# KiCad board TFLN_AI_NODE_X2_routed.kicad_pcb (continued)
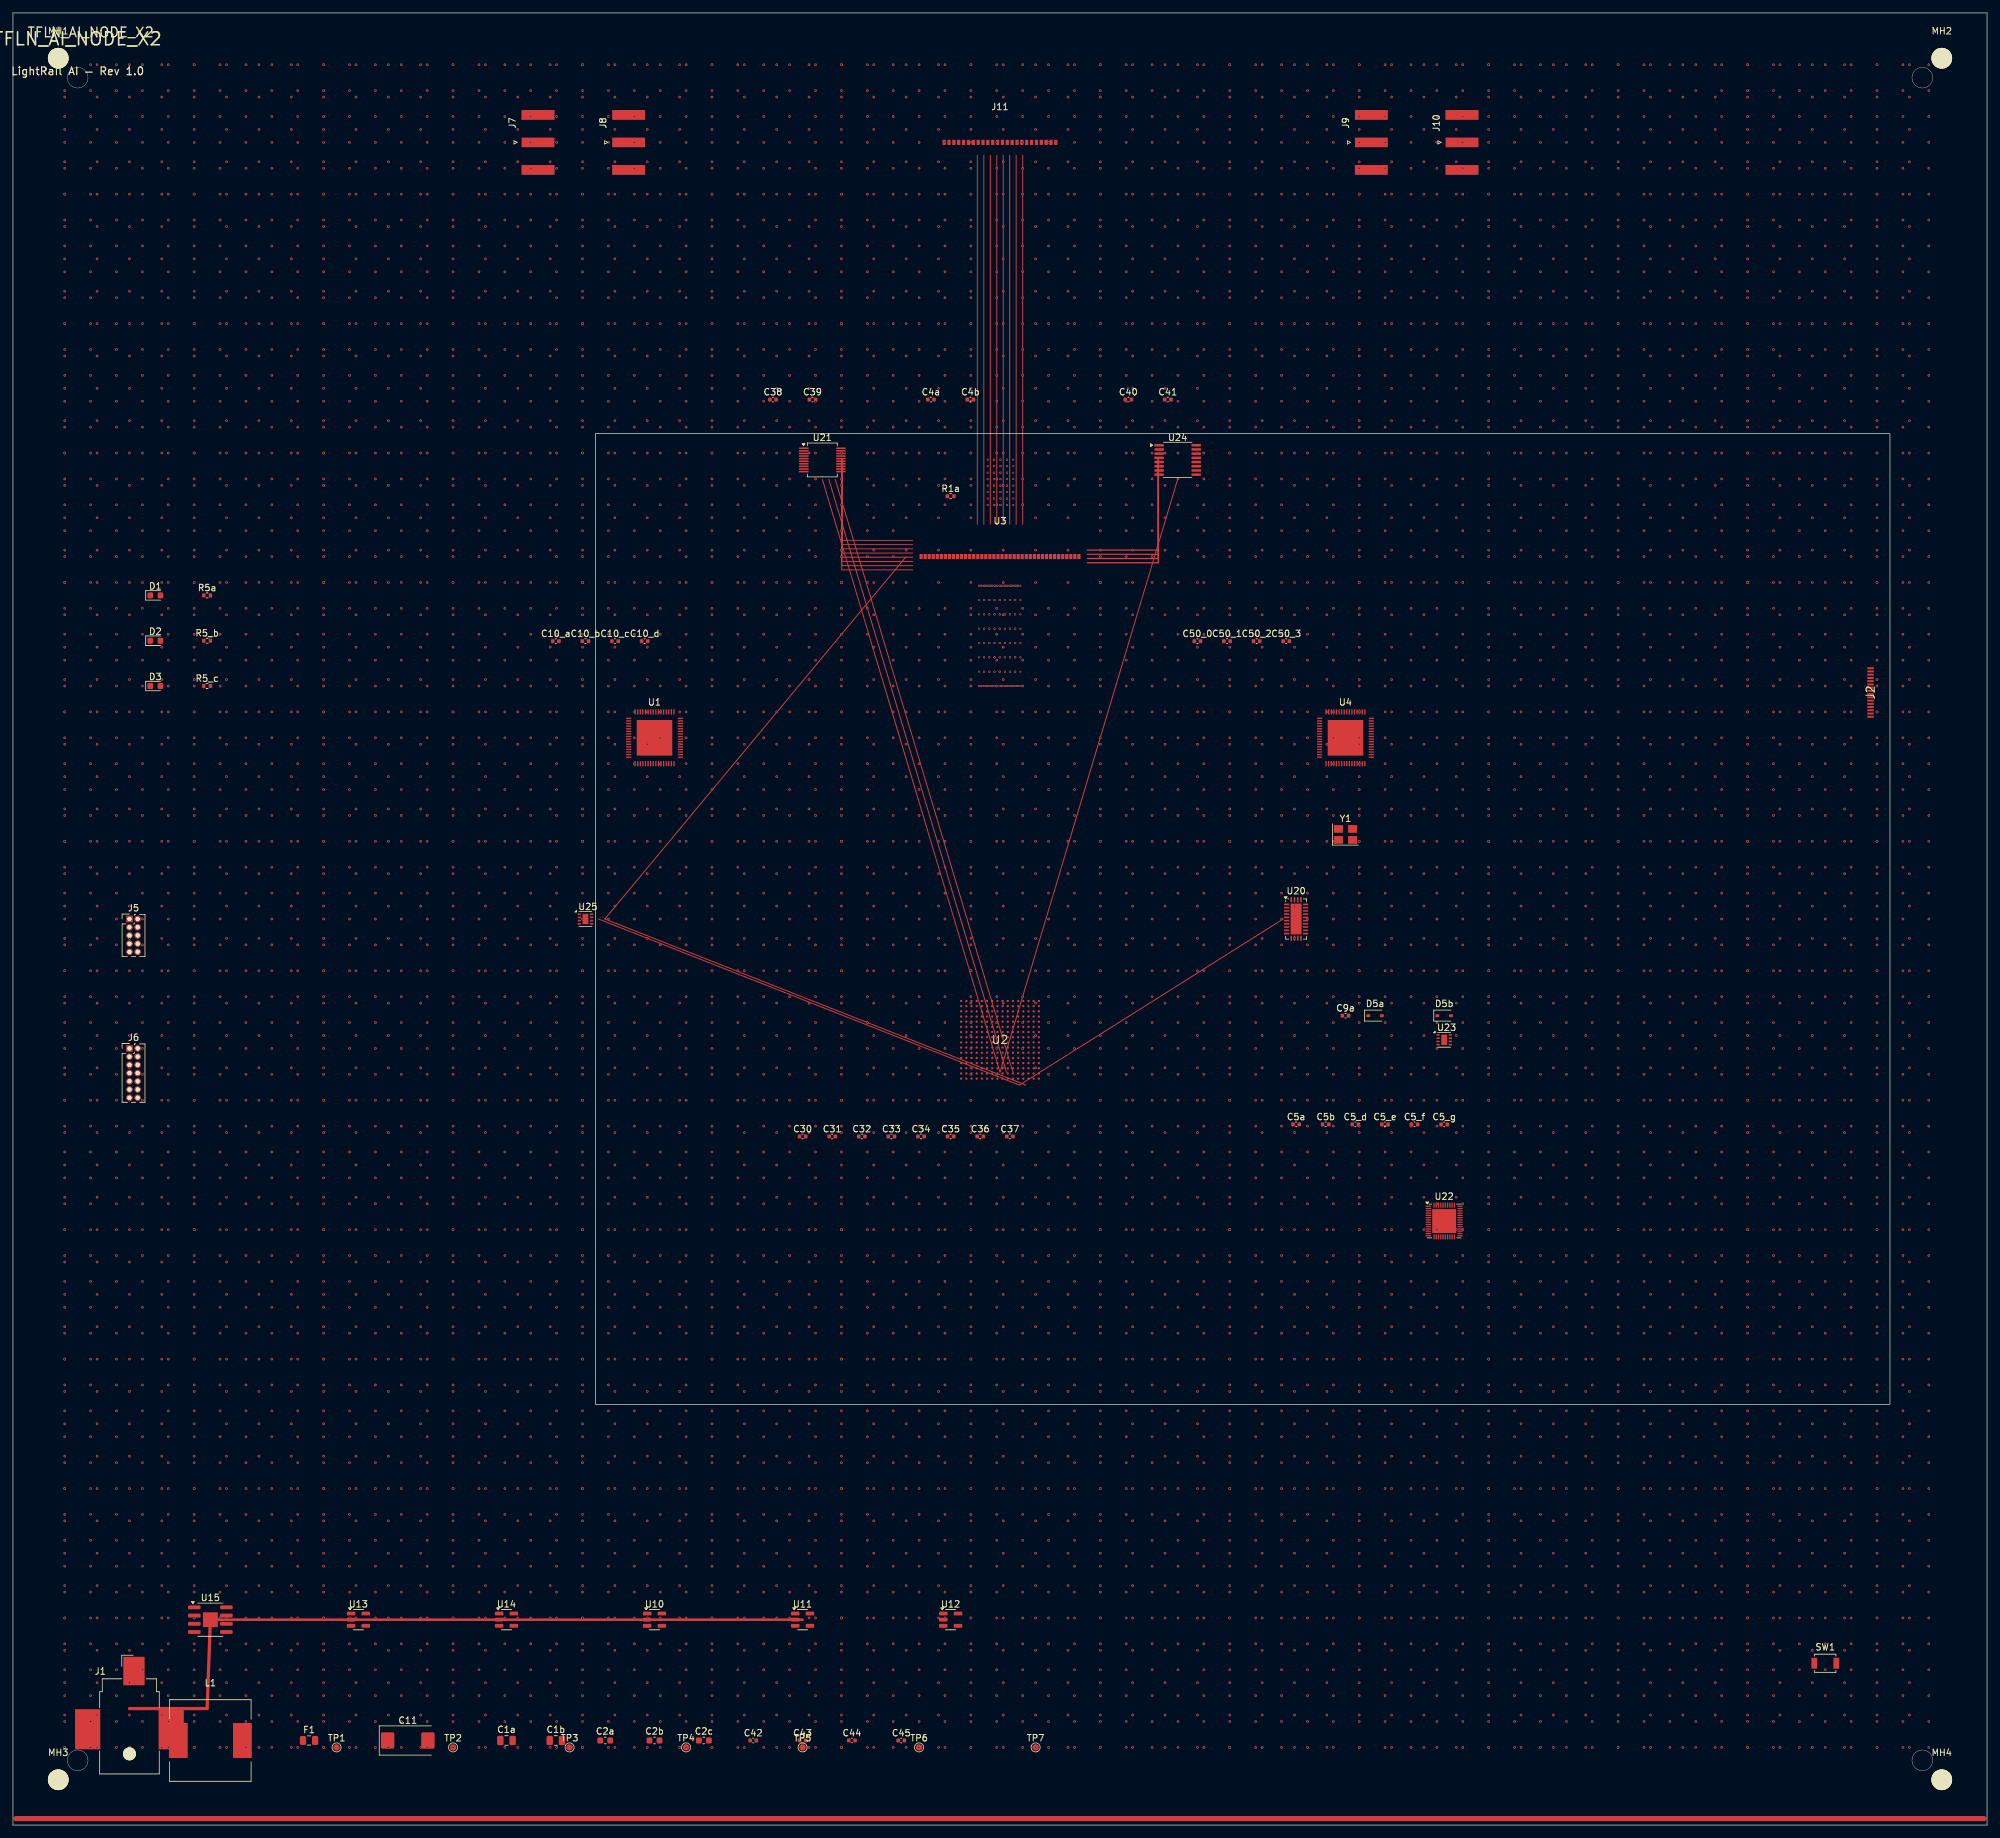
[diagram p0: board, top side]
## Routing (per net, layer and track width the routed paths; a pad name or vN(x,y) marks a point on that pad's centre or on a via; arc(x,y) is an arc through that point) (continued)
AXI_ACLK:
  vias: v1(153,127)
AXI_RDATA: length 296.2
  In5.Cu (L6 GND) w0.1: 101.12,167.2 150.5,167.2 ; 101.12,166.98 150.5,166.98 ; 101.12,166.8 150.5,166.8
  In5.Cu (L6 GND) w0.15: 101.12,167.07 150.5,167.07 ; 101.12,166.76 150.5,166.76 ; 101.12,167.16 150.5,167.16
  vias: v1(103,167) v1(108,167) v1(113,167) v1(118,167) v1(123,167) v1(128,167) v1(133,167) v1(138,167) v1(143,167) v1(148,167)
AXI_WDATA_B:
  vias: v1(208,164)
CLK_CORE: length 569.1
  In3.Cu (L4 AXI) w0.1: 107.12,160 147.5,126.83 ; 107.12,158 147.5,127.83 ; 107.12,165 147.5,124.33 ; 107.12,162 147.5,125.83 ; 107.12,159 147.5,127.33 ; 107.12,161 147.5,126.33 ; 107.12,164 147.5,124.83 ; 107.12,163 147.5,125.33
  In10.Cu (L11 PWR 0V9) w0.12: 198.25,139 152.5,126.33 ; 196.25,139 107.12,139 ; 200.25,139 197.88,139
CLK_HBM: length 139.1
  In10.Cu (L11 PWR 0V9) w0.12: 198.25,139.5 152.5,126.33 ; 200.25,139.5 197.88,139.5 ; 196.25,139.5 107.12,139.5
CLK_HBM_N: length 197.5
  In5.Cu (L6 GND) w0.1: 101.12,167.6 150.5,167.6 ; 101.12,167.38 150.5,167.38
  In5.Cu (L6 GND) w0.15: 101.12,167.56 150.5,167.56 ; 101.12,167.47 150.5,167.47
CLK_REF: length 138.8
  In10.Cu (L11 PWR 0V9) w0.12: 200.25,138.5 197.88,138.5 ; 198.25,138.5 152.5,126.33 ; 196.25,138.5 107.12,138.5
CLK_REF_N: length 49.4
  In5.Cu (L6 GND) w0.1: 101.12,166.58 150.5,166.58
CLK_SERDES: length 139.2
  In10.Cu (L11 PWR 0V9) w0.12: 196.25,140 107.12,140 ; 198.25,140 152.5,126.33 ; 200.25,140 197.88,140
DAC_V1: length 24.9
  Top w0.2: 176.95,210.93 176.95,197 166,197
DAC_V2: length 25.5
  Top w0.2: 176.95,210.93 176.95,196.35 166,196.35
DAC_V3: length 26.2
  Top w0.2: 166,195.7 176.95,195.7 176.95,210.93
DAC_V4: length 26.8
  Top w0.2: 176.95,210.93 176.95,195.05 166,195.05
FPGA_GPIO1:
  vias: v1(288,132) v1(288,132)
FPGA_GPIO2:
  vias: v1(18,117)
HBM_DQ0: length 10
  In16.Cu (L17 Sig) w0.1: 147.5,121.33 157.5,121.33
HBM_DQ1: length 10
  In16.Cu (L17 Sig) w0.1: 147.5,120.98 157.5,120.98
HBM_DQ2: length 10
  In16.Cu (L17 Sig) w0.1: 147.5,120.63 157.5,120.63
HBM_DQ3: length 10
  In16.Cu (L17 Sig) w0.1: 147.5,120.28 157.5,120.28
HBM_DQ4_B:
  vias: v1(204,172)
HBM_DQ5: length 10
  In16.Cu (L17 Sig) w0.1: 147.5,119.58 157.5,119.58
HBM_DQ6: length 10
  In16.Cu (L17 Sig) w0.1: 147.5,119.23 157.5,119.23
HBM_DQ7: length 10
  In16.Cu (L17 Sig) w0.1: 147.5,118.88 157.5,118.88
  vias: v1(96,172)
I2C_SCL: length 118.1
  Top w0.15: 90.45,140 155.5,114.33 196.25,140
  vias: v1(18,112)
I2C_SDA: length 69.9
  Top w0.15: 156.5,114.33 91.45,140
JTAG_TMS:
  vias: v1(18,137)
MON_CH0: length 23.4
  Top w0.15: 139,198.5 128.05,198.5 128.05,210.93
MON_CH1: length 24
  Top w0.15: 139,197.85 128.05,197.85 128.05,210.93
MON_CH2: length 24.7
  Top w0.15: 139,197.2 128.05,197.2 128.05,210.93
MON_CH3: length 25.3
  Top w0.15: 128.05,210.93 128.05,196.55 139,196.55
MON_CH4: length 26
  Top w0.15: 139,195.9 128.05,195.9 128.05,210.93
MON_CH5: length 26.6
  Top w0.15: 139,195.25 128.05,195.25 128.05,210.93
MON_CH6: length 27.3
  Top w0.15: 128.05,210.93 128.05,194.6 139,194.6
MON_CH7: length 27.9
  Top w0.15: 128.05,210.93 128.05,193.95 139,193.95
OPT_RX1: length 57
  Top w0.15: 154,201 154,258
OPT_RX2: length 57
  Top w0.15: 155,201 155,258
OPT_TX0: length 57
  Top w0.15: 149,201 149,258
  vias: v1(144,260)
OPT_TX1: length 57
  Top w0.15: 150,201 150,258
OPT_TX2: length 57
  Top w0.15: 151,201 151,258
PLL_LOL:
  vias: v1(198,137)
SMA_J7:
  vias: v1(80,260)
SMA_J8:
  vias: v1(96,260)
SMA_J9:
  vias: v1(208,260) v1(212,260)
SMA_J10:
  vias: v1(224,260)
SPI_CLK: length 191.2
  Top w0.15: 125.05,207.93 152.5,116.33 179.95,207.93
SPI_MISO: length 95.6
  Top w0.15: 154.5,116.33 127.05,207.93
SPI_MOSI: length 95.6
  Top w0.15: 153.5,116.33 126.05,207.93
SW_5V:
  vias: v1(53,27) v1(53,22)
TEMP_DIODE: length 72.8
  Top w0.15: 138,196 91.45,140
TFLN_TX_N0: length 54.5
  In6.Cu (L7 TFLN/HBM) w0.1: v2(149.7,191.5) v2(149.7,176) ; 151.2,203.97 151.2,211.97 ; v2(149.5,191.5) v2(149.5,176)
  In6.Cu (L7 TFLN/HBM) w0.15: 149.32,191.5 149.32,176
  vias: v2(149.25,191.5) v2(149.25,189.29) v2(149.25,187.07) v2(149.25,184.86) v2(149.25,182.64) v2(149.25,180.43) v2(149.25,178.21) v2(149.25,176)
TFLN_TX_N3: length 8
  In6.Cu (L7 TFLN/HBM) w0.1: 154.2,203.97 154.2,211.97
TFLN_TX_P0: length 8
  In6.Cu (L7 TFLN/HBM) w0.1: 151,203.97 151,211.97
TFLN_TX_P1: length 62
  In6.Cu (L7 TFLN/HBM) w0.1: v2(150.3,191.5) v2(150.3,176) ; v2(150.5,191.5) v2(150.5,176)
  In6.Cu (L7 TFLN/HBM) w0.15: 150.12,191.5 150.12,176 ; 149.97,191.5 149.97,176
  vias: v2(150.05,191.5) v2(150.05,189.29) v2(150.05,187.07) v2(150.05,184.86) v2(150.05,182.64) v2(150.05,180.43) v2(150.05,178.21) v2(150.05,176) v2(150.05,191.5) v2(150.05,189.29) v2(150.05,187.07) v2(150.05,184.86) v2(150.05,182.64) v2(150.05,180.43) v2(150.05,178.21) v2(150.05,176)
TFLN_TX_P1_B:
  vias: v1(208,172) v1(208,172)
TFLN_TX_P3: length 8
  In6.Cu (L7 TFLN/HBM) w0.1: 154,203.97 154,211.97

## Copper pours and planes (outline as drawn; the poured copper is in the pictures)
+0V9 on In10.Cu (L11 PWR 0V9): 93,212 287,212 287,68 93,68
+0V9 on In11.Cu (L12 GND center): 0.5,279.5 304.5,279.5 304.5,0.5 0.5,0.5
+0V9 on In11.Cu (L12 GND center): 0.5,279.5 304.5,279.5 304.5,0.5 0.5,0.5
+1V8 on In12.Cu (L13 PWR 1V8): 93,212 287,212 287,68 93,68
+1V8 on In13.Cu (L14 PWR 3V3): 0.5,279.5 304.5,279.5 304.5,0.5 0.5,0.5
+1V8 on In13.Cu (L14 PWR 3V3): 0.5,279.5 304.5,279.5 304.5,0.5 0.5,0.5
+3V3 on In13.Cu (L14 PWR 3V3): 93,212 287,212 287,68 93,68
+3V3 on In14.Cu (L15 GND): 0.5,279.5 304.5,279.5 304.5,0.5 0.5,0.5
+3V3 on In14.Cu (L15 GND): 0.5,279.5 304.5,279.5 304.5,0.5 0.5,0.5
GND on Top: 93,212 287,212 287,68 93,68
GND on Top: 0.5,279.5 304.5,279.5 304.5,0.5 0.5,0.5
GND on Bottom: 0.5,279.5 304.5,279.5 304.5,0.5 0.5,0.5
GND on Bottom: 93,212 287,212 287,68 93,68
GND on In2.Cu (L3 GND): 93,212 287,212 287,68 93,68
GND on In2.Cu (L3 GND): 0.5,279.5 304.5,279.5 304.5,0.5 0.5,0.5
GND on In2.Cu (L3 GND): 0.5,279.5 304.5,279.5 304.5,0.5 0.5,0.5
GND on In5.Cu (L6 GND): 93,212 287,212 287,68 93,68
GND on In8.Cu (L9 GND): 93,212 287,212 287,68 93,68
GND on In9.Cu (L10 CLK): 0.5,279.5 304.5,279.5 304.5,0.5 0.5,0.5
GND on In9.Cu (L10 CLK): 0.5,279.5 304.5,279.5 304.5,0.5 0.5,0.5
GND on In11.Cu (L12 GND center): 93,212 287,212 287,68 93,68
GND on In12.Cu (L13 PWR 1V8): 0.5,279.5 304.5,279.5 304.5,0.5 0.5,0.5
GND on In12.Cu (L13 PWR 1V8): 0.5,279.5 304.5,279.5 304.5,0.5 0.5,0.5
GND on In14.Cu (L15 GND): 93,212 287,212 287,68 93,68
GND on In15.Cu (L16 Sig): 0.5,279.5 304.5,279.5 304.5,0.5 0.5,0.5
GND on In15.Cu (L16 Sig): 0.5,279.5 304.5,279.5 304.5,0.5 0.5,0.5
GND on In20.Cu (L21 GND): 93,212 287,212 287,68 93,68
GND on In20.Cu (L21 GND): 0.5,279.5 304.5,279.5 304.5,0.5 0.5,0.5
GND on In20.Cu (L21 GND): 0.5,279.5 304.5,279.5 304.5,0.5 0.5,0.5

## Text on the board
B.Fab: BACK-DRILL ZONES: 3 (SEE USER.1 LAYER + SPEC FILE) | 22 LAYERS — SEE STACKUP DOC
F.Fab: FABRICATION NOTES: | 1. 22 layers, 3.2mm, ENIG finish | 2. L3,L7,L15,L19: 2oz copper — all others 1oz | 3. Impedance control required (see table): | 85Ω diff — TFLN RF (L7/L8) | 100Ω diff — PCIe Gen6 (L5/L6) | 100Ω diff — DDR5 DQS (L16/L17) | 50Ω SE — general signals (F.Cu/B.Cu) | 4. Back-drill: 3 zones (see User.1 + spec file) | Z1 PCIe: ~500 vias Bot→L5 | Z2 TFLN: ~32 vias Bot→L2 ±50µm | Z3 DDR5: ~1200 vias Both→L6/L16 | 5. IPC Class 3 workmanship | 6. UL94 V-0 material required | TFLN RF keep-out | Generated: 2026-06-20 | 22L | 3.2mm | ENIG | IPC Class 3 | BD-Z1:PCIe/SerDes L5 Bot→ | BD-Z2:TFLN RF L2 Bot→ ±50µm | BD-Z3:DDR5 L6/L16 Both→ | U1: NCE-A | U3: TFLN_PIC | U2: Artix-7 | U4: NCE-B | LightRail AI — Rev 1.0 | TFLN_AI_NODE_X2
F.Silkscreen: LightRail AI — Rev 1.0 | TFLN_AI_NODE_X2
